# KiCad board blinkenbrain.kicad_pcb
title: Blinkenbrain; rev: D; company: Open Ephys, Inc; note: Jonathan P. Newman
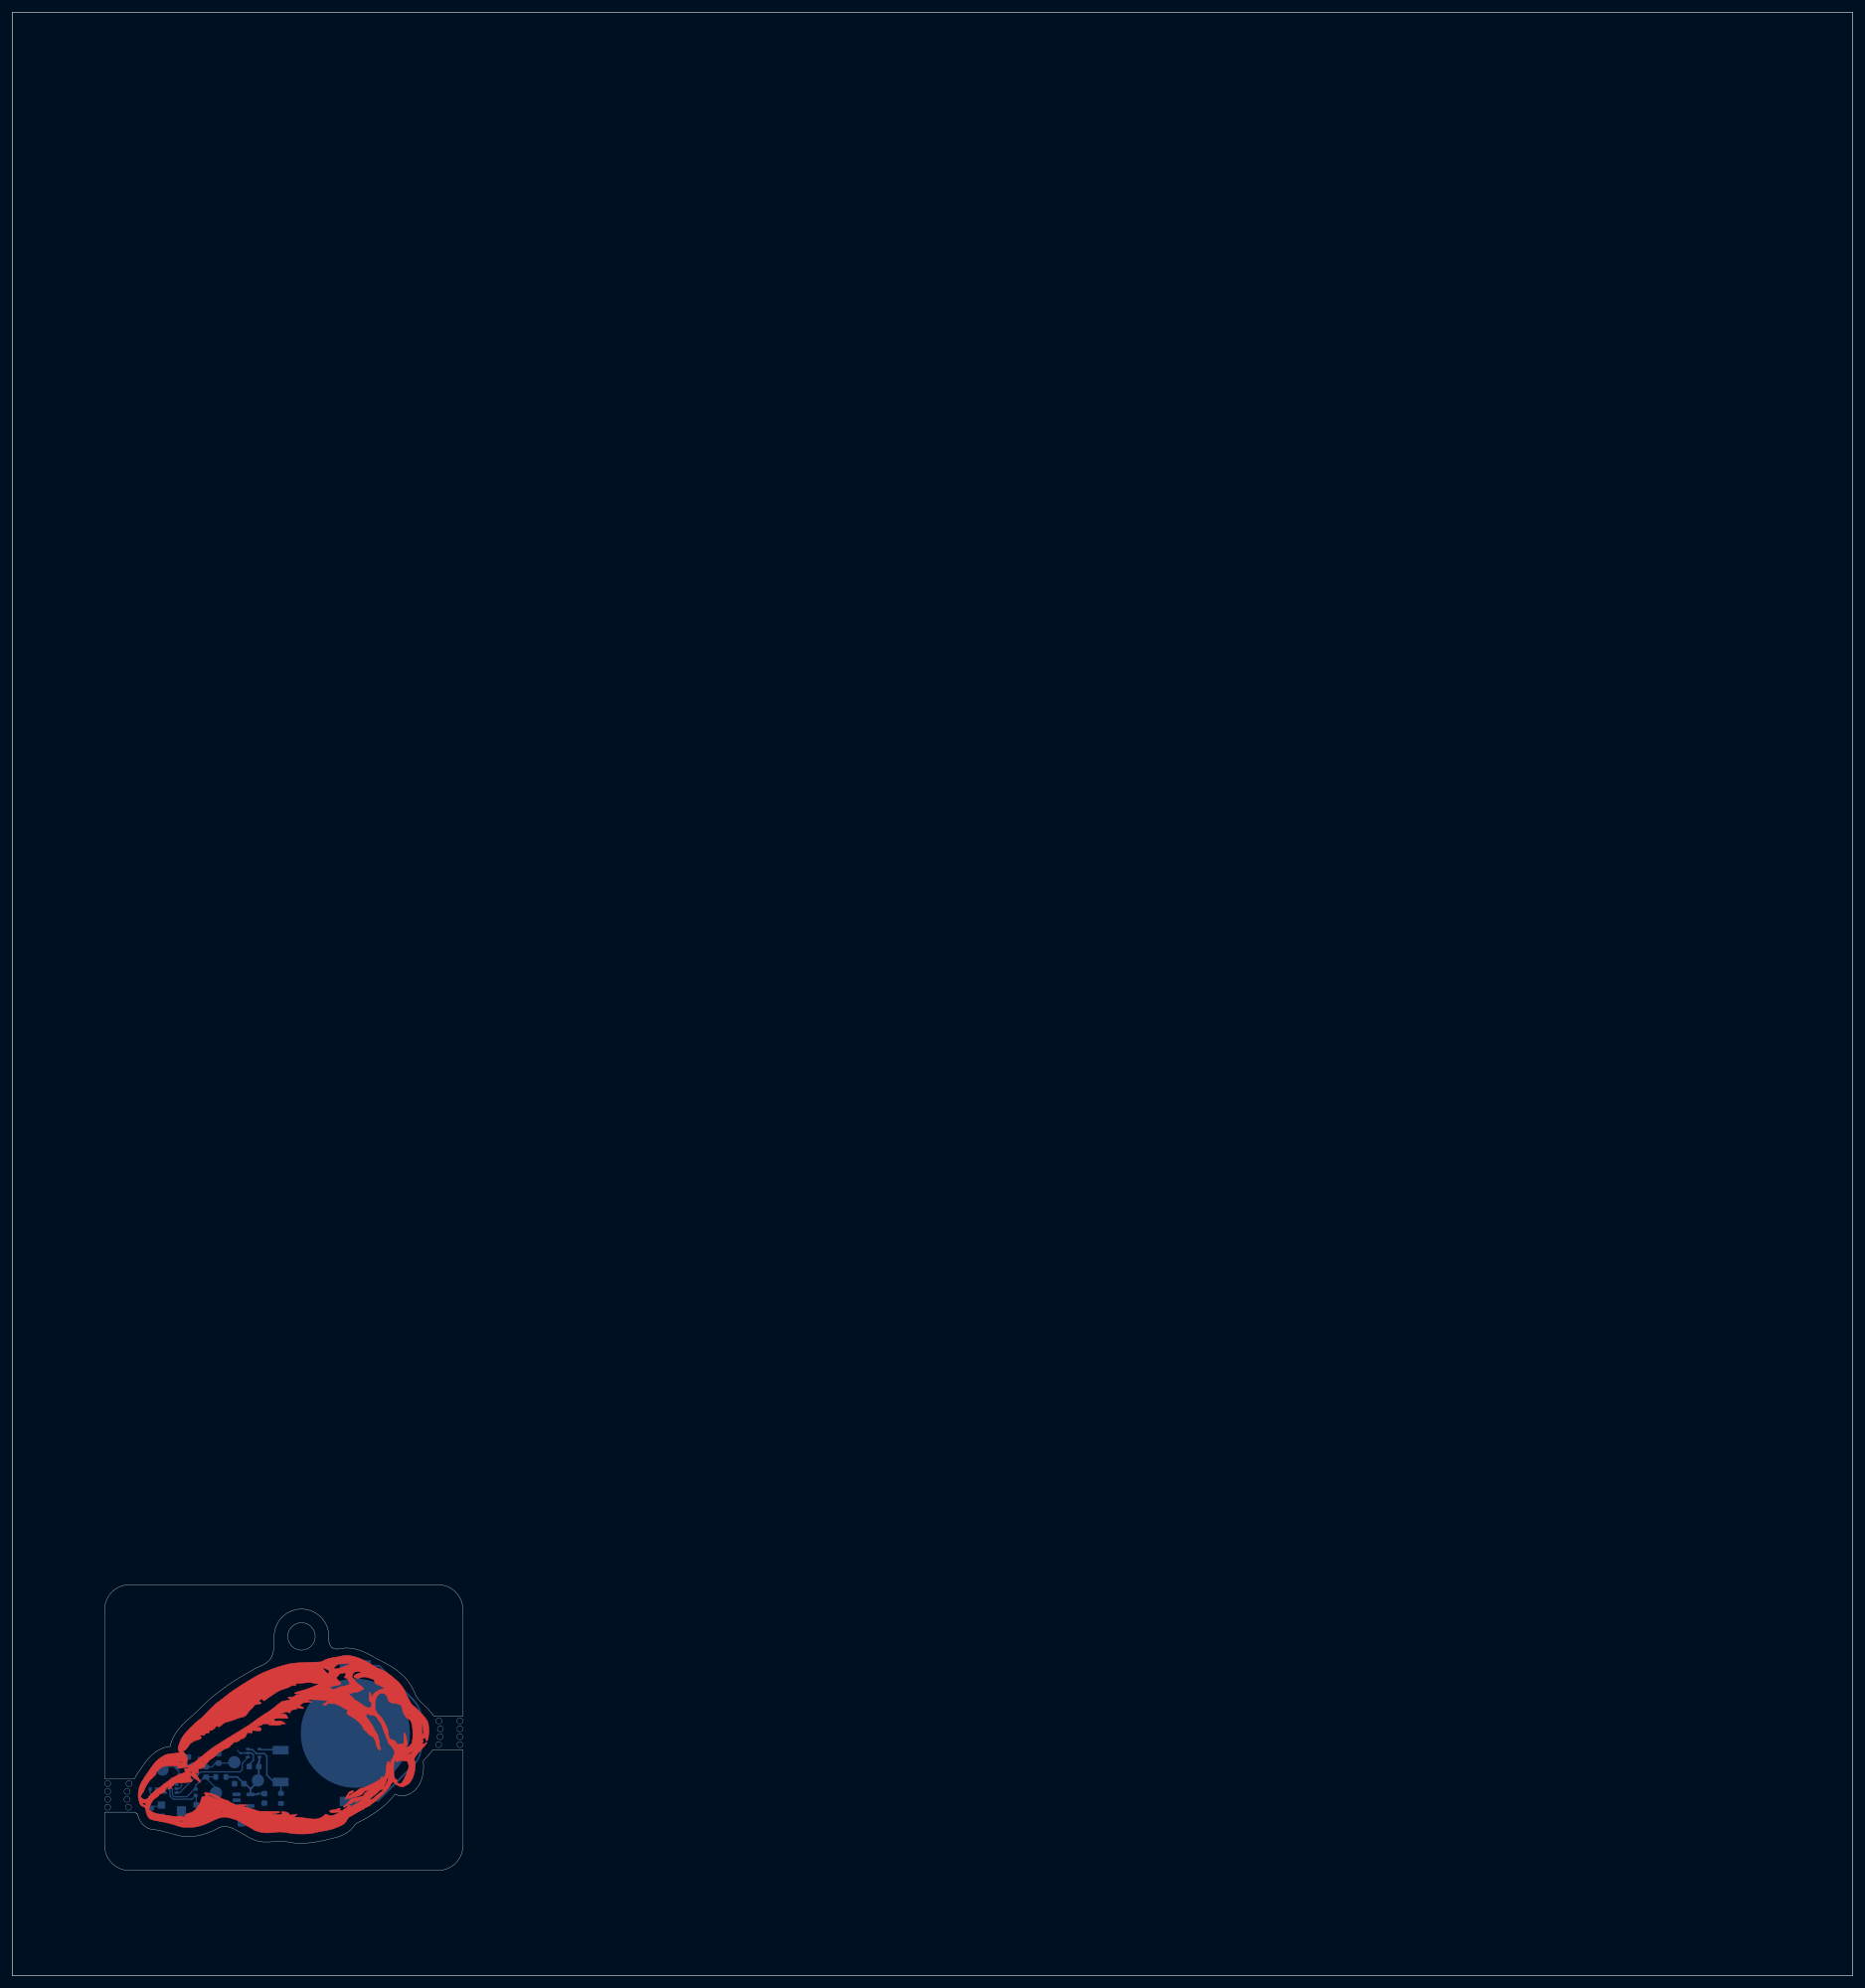
[diagram p0: board, top side]
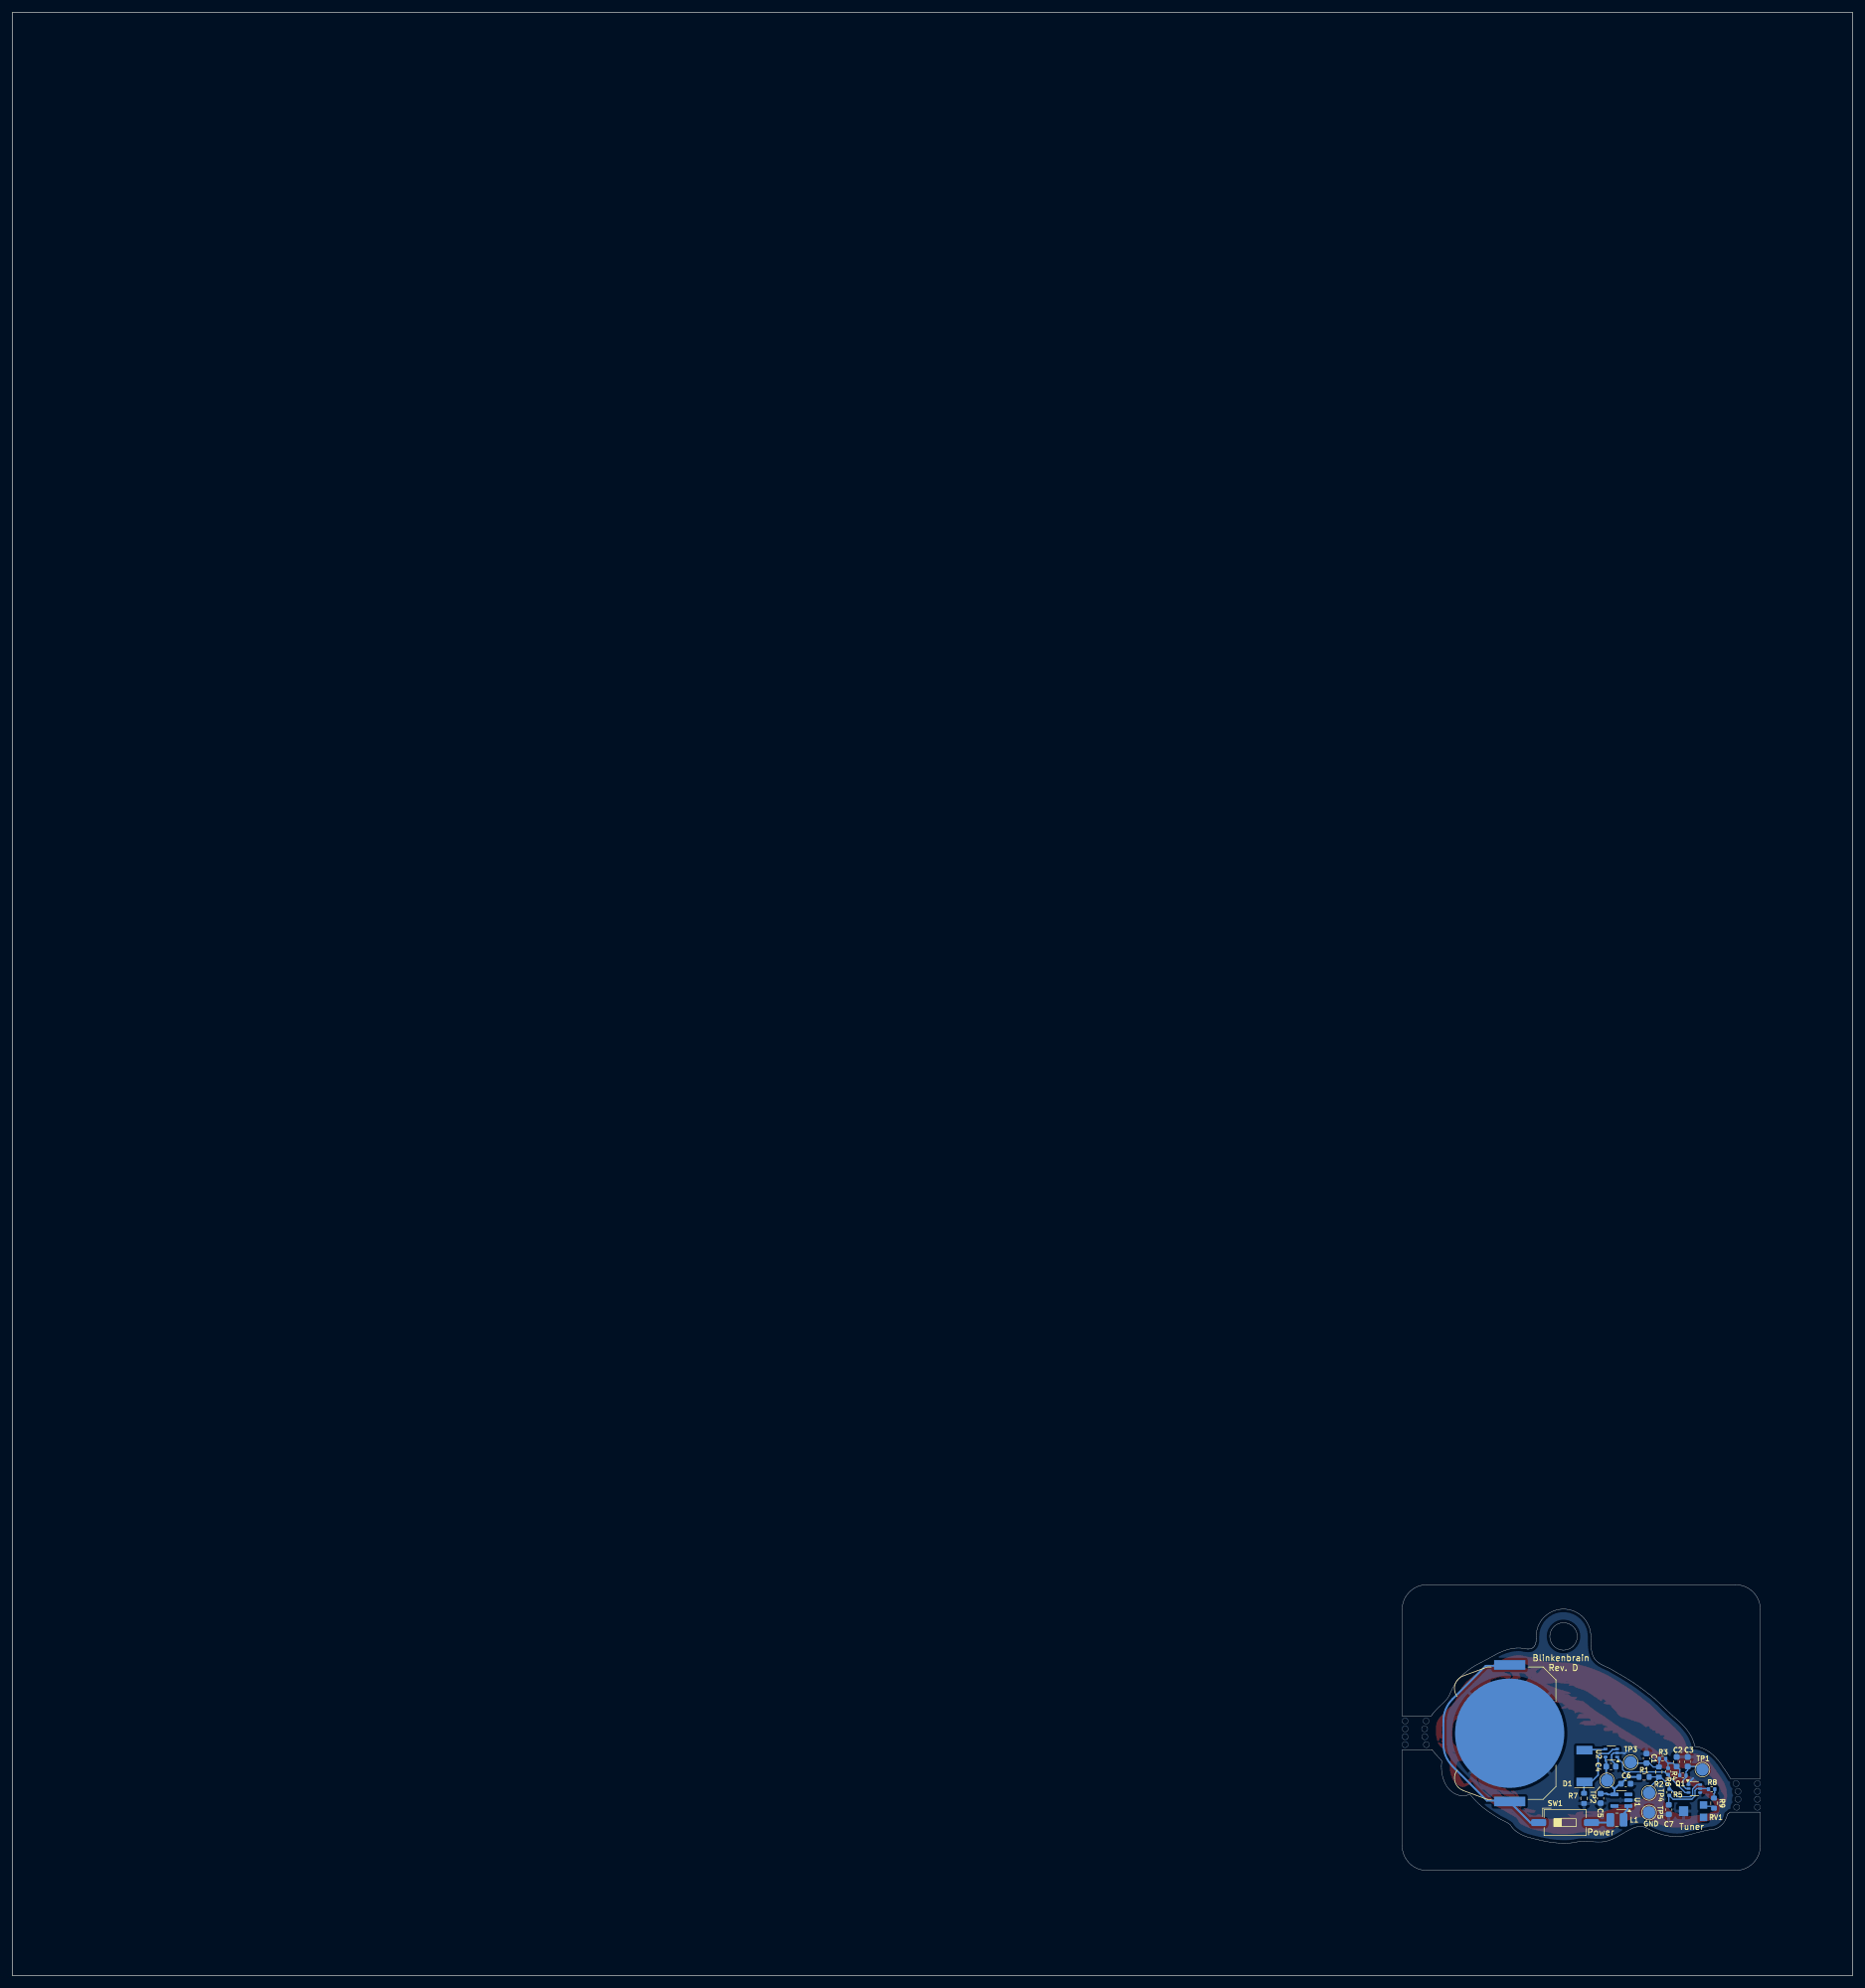
[diagram p1: board, bottom side, seen from below]

Outline 300 x 320 mm; copper layers: Top, Bottom. Coordinates in mm from the lower left corner of the outline.
Stack: Top 0.035mm / dielectric 1.51mm FR4 er 4.5 / Bottom 0.035mm

## Placement (name value [footprint] x y rotation side)
BT1  3034  [KEYSTONE_3034_1x20mm]  55.92 39.52 270 bottom
C1  2.2uF  [C_0603_1608Metric]  33.62 35.42 90 bottom
C2  2.2uF  [C_0603_1608Metric]  28.7 34.88 90 bottom
C3  2.2uF  [C_0603_1608Metric]  26.9 34.88 90 bottom
C4  10uF  [C_0603_1608Metric]  39.4 34.1 180 bottom
C5  10uF  [C_0603_1608Metric]  41.1 28.9 270 bottom
C6  10uF  [C_0603_1608Metric]  37 31.3 180 bottom
C7  1uF  [C_0603_1608Metric]  29.98 27.08 270 bottom
D1  XZVG45WT-9  [SUNLED_PLCC2-INV]  43.74 34.16 90 bottom
G***  -  [LOGO]  38.22 43.12 180 bottom
L1  DFE252012P-2R2M=P2  [L_1008_2520Metric]  38.43 25.4 180 bottom
Q1  BC847BS  [SOT-363_SC-70-6]  25.82 30.49 180 bottom
R1  22k  [R_0603_1608Metric]  34 32.4 180 bottom
R2  22k  [R_0603_1608Metric]  31.6 33.2 90 bottom
R3  47k  [R_0402_1005Metric]  31 35.37 180 bottom
R4  47k  [R_0402_1005Metric]  27.68 32.65 180 bottom
R5  100k  [R_0402_1005Metric]  29.9 29.9 90 bottom
R6  100k  [R_0402_1005Metric]  30.1 33.3 90 bottom
R7  120  [R_0603_1608Metric]  43.8 28.9 90 bottom
R8  47k  [R_0402_1005Metric]  23 30.4 0 bottom
R9  22k  [R_0603_1608Metric]  22.62 28.12 90 bottom
RV1  TC33X-2-104E  [BOURNS_TC33]  26.12 26.82 90 bottom
SW1  2.54-1P TPGT  [SW_DIP_SPSTx01_Slide_6.7x4.1mm_W8.61mm_P2.54mm_LowProfile]  46.89 24.95 180 bottom
TP1  TestPoint  [TestPoint_Pad_D2.0mm]  24.5 33.6 180 bottom
TP2  TestPoint  [TestPoint_Pad_D2.0mm]  40.04 31.83 180 bottom
TP3  TestPoint  [TestPoint_Pad_D2.0mm]  36.2 34.8 180 bottom
TP4  TestPoint  [TestPoint_Pad_D2.0mm]  33.2 29.8 180 bottom
TP5  TestPoint  [TestPoint_Pad_D2.0mm]  33.2 26.6 180 bottom
U1  TPS613222ADBVR  [SOT-23-5]  37.7 28.6 0 bottom
U2  LMV321AIDCKR  [SOT-353_SC-70-5]  39.35 36.3 0 bottom

## Library data of the parts
BT1 = -: Description: Single-cell battery; LCSC: C5213768
C1-C3 = -: Description: Unpolarized capacitor; TempCo: X5R; Tolerance: 5%; Voltage: 10V; LCSC: C516003; ki_fp_filters: C_*
C4-C6 = -: Description: Unpolarized capacitor; TempCo: X5R; Tolerance: 20%; Voltage: 16V; LCSC: C22399626; ki_fp_filters: C_*
C7 = -: Description: Unpolarized capacitor; TempCo: X5R; Tolerance: 5%; Voltage: 10V; LCSC: C6119860; ki_fp_filters: C_*
D1 = -: Description: Light emitting diode; Sim.Pins: 1=K 2=A; LCSC: C7129856; ki_fp_filters: LED* LED_SMD:* LED_THT:*
L1 = -: Description: Inductor; LCSC: C391305; ki_fp_filters: Choke_* *Coil* Inductor_* L_*
Q1 = -: Datasheet: https://assets.nexperia.com/documents/data-sheet/BC847BS.pdf; Description: 100mA IC, 45V Vce, Dual NPN/NPN Transistors, SOT-363; LCSC: C45369252; ki_fp_filters: SOT?363*
R1 R2 R9 = -: Description: Resistor, US symbol; Tolerance: 1%; LCSC: C2907015; ki_fp_filters: R_*
R3 R4 R8 = -: Description: Resistor, US symbol; Tolerance: 1%; LCSC: C2906872; ki_fp_filters: R_*
R5 R6 = -: Description: Resistor, US symbol; Tolerance: 1%; LCSC: C60491; ki_fp_filters: R_*
R7 = -: Description: Resistor, US symbol; Tolerance: 1%; LCSC: C2906988; ki_fp_filters: R_*
RV1 = -: Description: Potentiometer, US symbol; LCSC: C719186; ki_fp_filters: Potentiometer*
SW1 = -: Description: Single Pole Single Throw (SPST) switch; LCSC: C5160838
TP1-TP5 = -: Description: test point; ki_fp_filters: Pin* Test*
U1 = -: Datasheet: https://www.ti.com/lit/ds/symlink/tps61322.pdf?HQS=dis-dk-null-digikeymode-dsf-pf-null-wwe&ts=1695101333035; LCSC: C2071163
U2 = -: Datasheet: http://www.ti.com/lit/ds/symlink/lmv324.pdf; Description: Low-Voltage Rail-to-Rail Output Operational Amplifiers, SOT-23-5/SC-70-5; LCSC: C484731; ki_fp_filters: SOT?23* *SC*70*

## Footprints (pads in the part's own frame, mm; a bottom-side part is the same pattern mirrored in y, then rotated)
BOURNS_TC33
  rect 1.2x1.2 smd: 1(-1,-1.8) 3(1,-1.8)
  rect 1.6x1.5 smd: 2(0,1.45)
C_0603_1608Metric
  rrect 0.9x0.95 smd: 1(-0.775,0) 2(0.775,0)
KEYSTONE_3034_1x20mm
  rect 1.55x5.08 smd: 1(-11.125,0) 1(11.125,0)
  round 17.8 smd: 2(0,0)
L_1008_2520Metric
  rrect 1.25x2.2 smd: 1(-1.075,0) 2(1.075,0)
R_0402_1005Metric
  rrect 0.54x0.64 smd: 1(-0.51,0) 2(0.51,0)
R_0603_1608Metric
  rrect 0.8x0.95 smd: 1(-0.825,0) 2(0.825,0)
SOT-23-5
  rrect 1.325x0.6 smd: 1(-1.137,0.95) 2(-1.137,0) 3(-1.137,-0.95) 4(1.137,-0.95) 5(1.137,0.95)
SOT-353_SC-70-5
  rrect 0.65x0.4 smd: 1(-0.95,0.65) 2(-0.95,0) 3(-0.95,-0.65) 4(0.95,-0.65) 5(0.95,0.65)
SOT-363_SC-70-6
  rrect 0.65x0.4 smd: 1(-0.95,0.65) 2(-0.95,0) 3(-0.95,-0.65) 4(0.95,-0.65) 5(0.95,0) 6(0.95,0.65)
SUNLED_PLCC2-INV
  rect 1.4x2.6 smd: 1(-2.6,0) 2(2.6,0)
SW_DIP_SPSTx01_Slide_6.7x4.1mm_W8.61mm_P2.54mm_LowProfile
  rrect 2.44x1.12 smd: 1(-4.305,0) 2(4.305,0)
TestPoint_Pad_D2.0mm
  round 2 smd: 1(0,0)

## Nets
+5V: C4.1 C5.1 C6.1 R1.1 TP2.1 U1.4 U2.5
GND: BT1.2 C1.2 C2.2 C3.2 C4.2 C5.2 C6.2 C7.2 Q1.1 Q1.4 R7.1 RV1.2 TP5.1 U1.2 U2.2
Net-(BT1-+): BT1.1 SW1.1
Net-(C1-Pad1): C1.1 R2.2 R3.1 TP3.1
Net-(C2-Pad1): C2.1 R3.2 R4.1 R6.2
Net-(D1-A): D1.2 U2.4
Net-(D1-K): D1.1 R7.2 U2.3
Net-(Q1A-B1): C3.1 Q1.2 R4.2 TP1.1
Net-(Q1A-C1): Q1.6 R1.2 R2.1 R5.2 TP4.1
Net-(Q1B-B2): C7.1 Q1.5 R5.1 R8.2
Net-(Q1B-C2): Q1.3 R6.1 U2.1
Net-(R8-Pad1): R8.1 R9.2
Net-(R9-Pad1): R9.1 RV1.3
Net-(SW1-B): L1.1 SW1.2
Net-(U1-SW): L1.2 U1.1

Pads without a net: RV1 1; U1 3 5

## Routing (per net, layer and track width the routed paths; a pad name or vN(x,y) marks a point on that pad's centre or on a via; arc(x,y) is an arc through that point)
+5V: length 14.1
  Bottom w0.25: U1.4 39,29.71
  Bottom w0.3: 40.17,31.77 C4.1 40.17,34.88 40.3,35 U2.5 ; 38.84,30.44 U1.4 39.95,29.55 40.08,29.68 41.1,29.68 ; 38.84,30.44 37.97,31.3 C6.1 36.67,32.4 R1.1 ; 38.84,30.44 40.04,31.64 TP2.1
GND: length 6.5
  Bottom w0.2: 37.2,36.2 36.7,36.7
  Bottom w0.25: C4.2 38.62,34.43 39.3,35.1 39.3,36 39,36.3 U2.2 37.3,36.3 37.2,36.2
  Bottom w0.3: 26,32.2 26.77,31.43 Q1.1
Net-(BT1-+): length 41.5
  Bottom w0.3: 55.92,28.32 52.55,24.95 50.7,24.95 ; 55.92,50.51 59.81,50.51 65.25,45.06 arc(66.34,43.44) 66.72,41.53 66.72,37.71 arc(66.34,35.8) 65.25,34.18 59.62,28.54 55.92,28.54
Net-(C1-Pad1): length 6
  Bottom w0.2: R3.1 31.51,34.81 31.5,34.8 31.6,34.7 R2.2 32.53,34.02 33.15,34.65 C1.1 ; 33.72,34.65 36.05,34.65
Net-(C2-Pad1): length 5
  Bottom w0.2: R3.2 30.49,35.04 30.1,34.65 ; R4.1 28.19,33.59 C2.1 29.25,34.65 30.1,34.65 ; 30.1,34.65 R6.2
Net-(D1-A): length 3.4
  Bottom w0.25: U2.4 40.4,36.85 43.65,36.85
Net-(D1-K): length 10.3
  Bottom w0.25: 43.8,29.52 43.8,31.5 ; U2.3 38.5,36.85 39.15,36.85 39.8,36.2 41.1,36.2 41.5,35.8 41.5,32.7 42.64,31.56
Net-(Q1A-B1): length 6.8
  Bottom w0.2: 24.6,34.1 C3.1 26.9,33.53 27.17,33.26 R4.2 27.17,32.33 27.6,31.9 27.6,30.9 27.19,30.49 Q1.2
Net-(Q1A-C1): length 13.1
  Bottom w0.2: R1.2 31.62,32.4 ; 31.6,32.2 33.2,30.6 ; Q1.6 25.39,31.14 26.1,30.43 26.1,29.47 26.4,29.17 28.47,29.17 29.71,30.41 ; R5.2 29.9,31 31.28,32.38
Net-(Q1B-B2): length 9.3
  Bottom w0.2: 23.6,30.49 Q1.5 25.41,30.49 25.7,30.2 25.7,29.3 26.23,28.76 29.27,28.76 R5.1 ; C7.1 29.98,29.31
Net-(Q1B-C2): length 14.7
  Bottom w0.2: Q1.3 27.29,29.84 30.67,33.21 32.2,33.21 32.21,33.23 37.13,33.23 37.5,33.6 37.5,34.65 38.4,35.55 U2.1
Net-(R8-Pad1): length 1.5
  Bottom w0.2: R8.1 22.49,29.81 22.62,29.68 R9.2
Net-(R9-Pad1): length 1.4
  Bottom w0.2: 22.62,27.61 24.01,27.61
Net-(SW1-B): length 2.8
  Bottom w0.3: SW1.2 39.78,24.95
Net-(U1-SW): length 2.7
  Bottom w0.3: U1.1 36.73,27.49 36.73,27.02 37.35,26.39 37.35,25.23

## Copper pours and planes (outline as drawn; the poured copper is in the pictures)
GND on Bottom: -81,450 374,450 374,-70 -81,-70

Small or netless copper shapes (teardrops, artwork), in the pictures only: 1 on Top

## Text on the board
B.Silkscreen: GND | Tuner | Power | Rev. D | Blinkenbrain
